# KiCad board input-output.Media.kicad_pcb
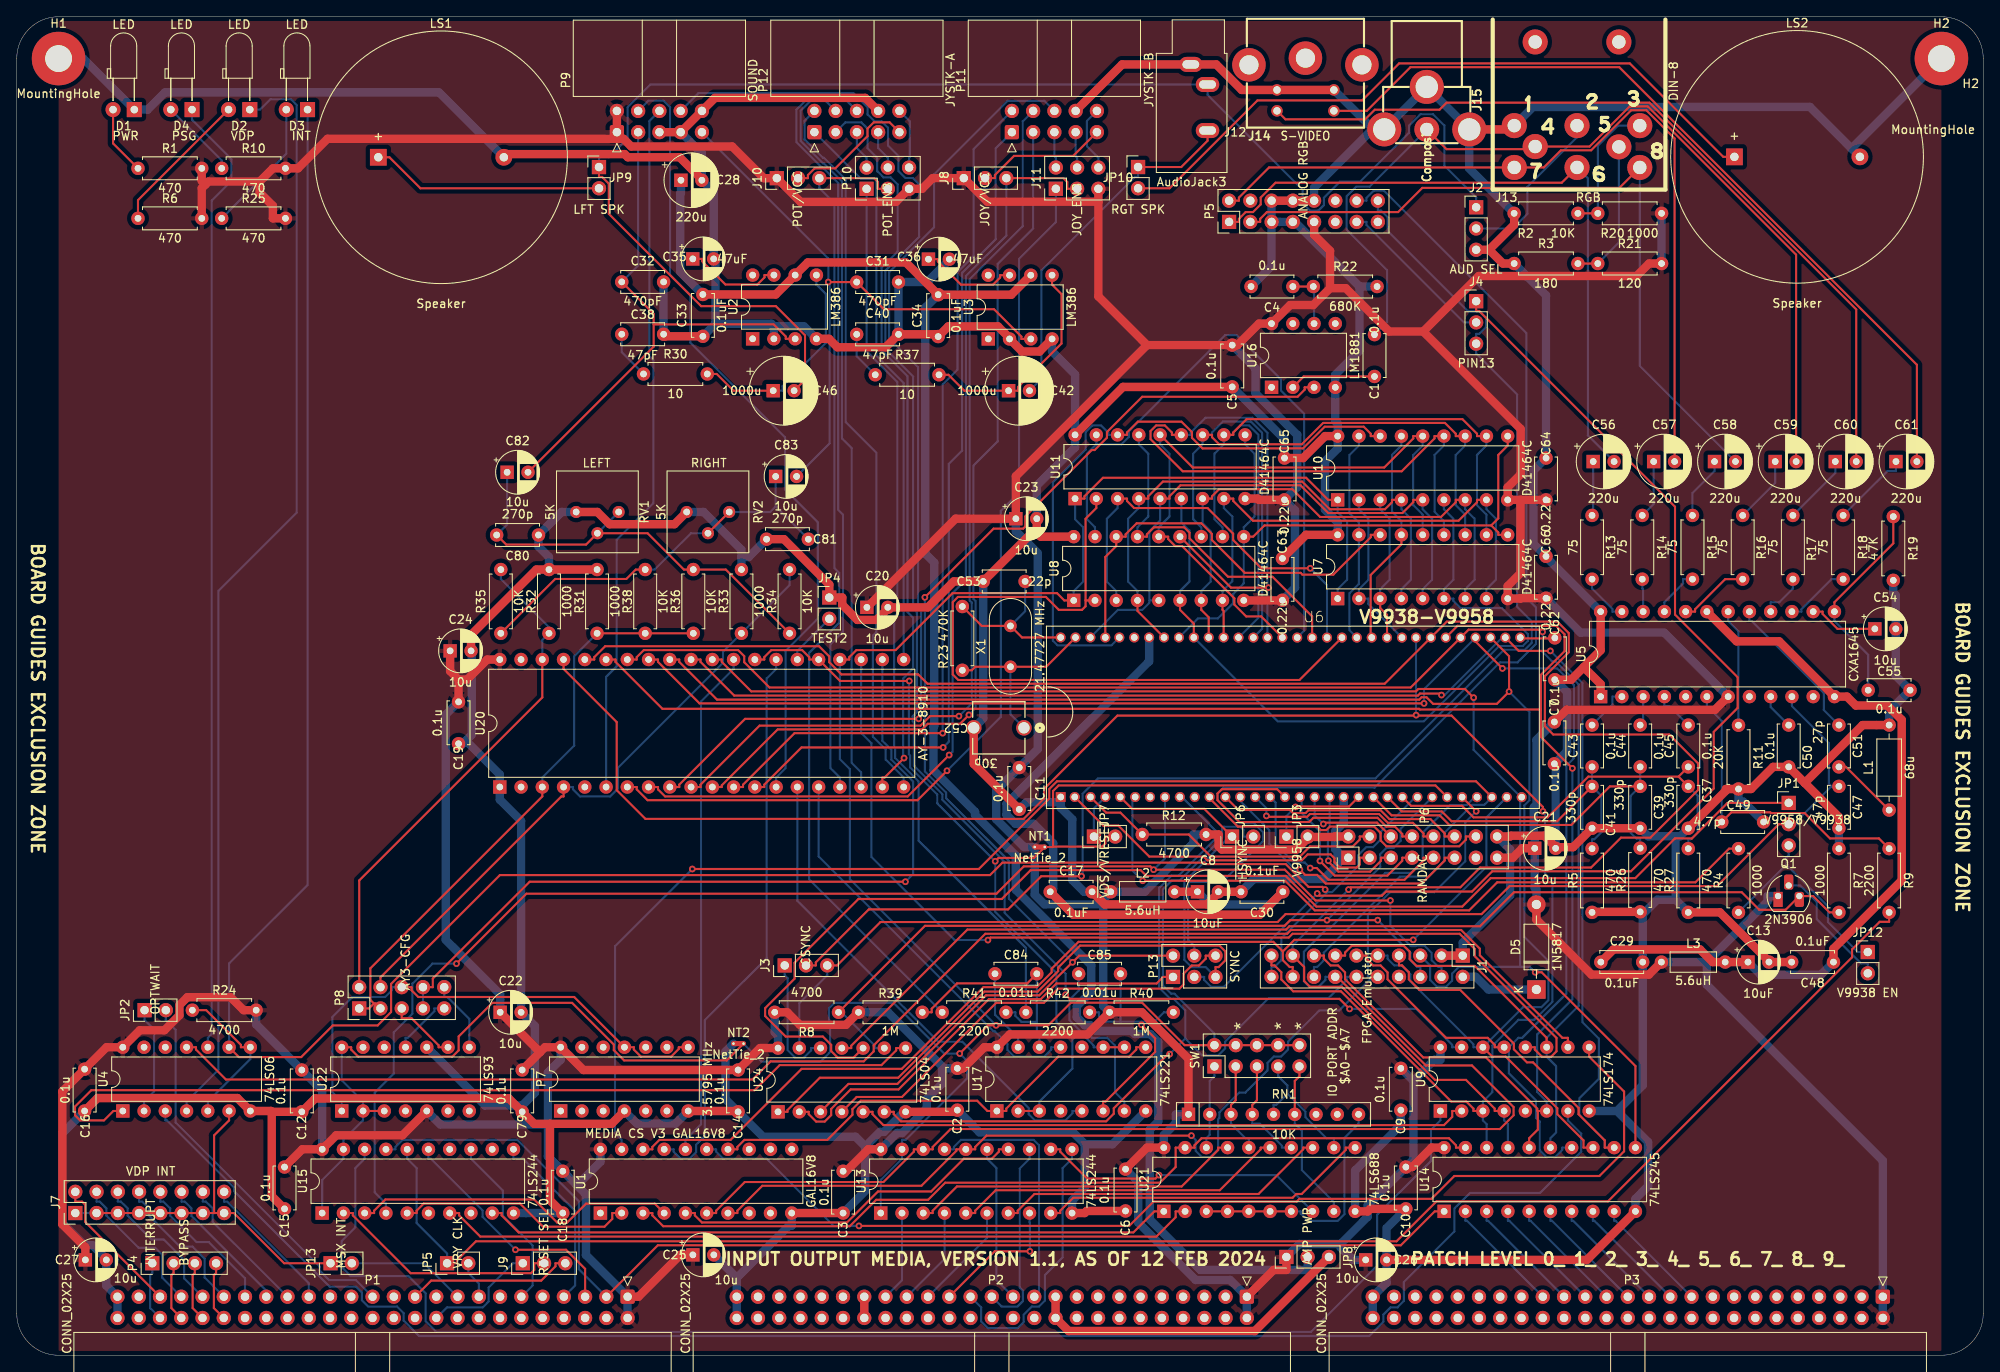
[diagram p0: board, top side]
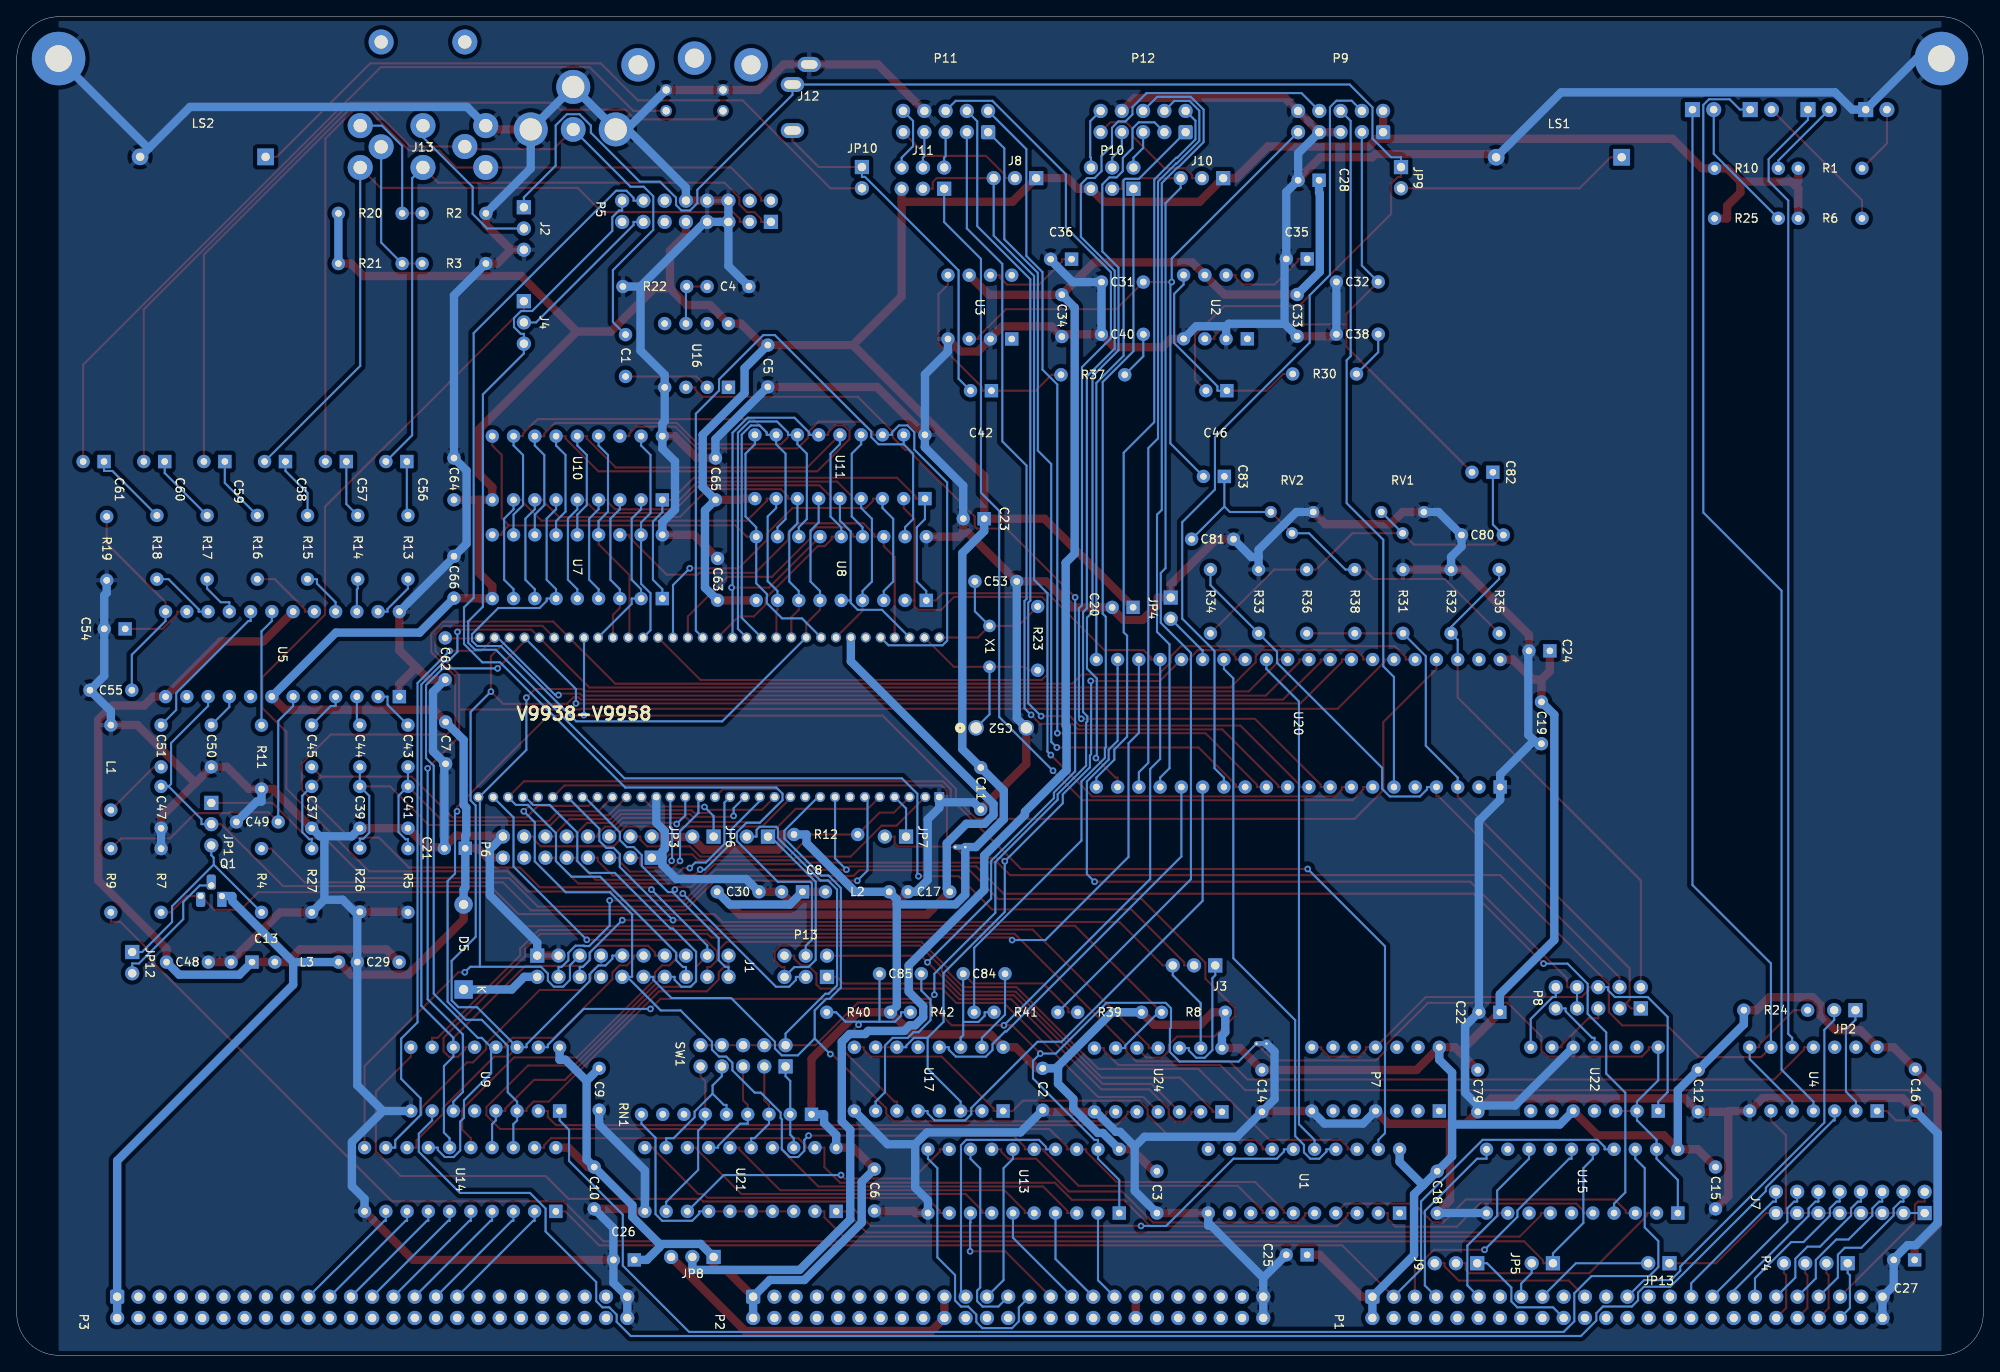
[diagram p1: board, bottom side, seen from below]

Outline 235 x 160 mm; copper layers: Top, Bottom. Coordinates in mm from the lower left corner of the outline.
Outline path: 0,155 0,5 arc(1.46,1.46) 5,0 230,0 arc(233.54,1.46) 235,5 235,155 arc(233.54,158.54) 230,160 5,160 arc(1.46,158.54) 0,155
Stack: Top 0.035mm / dielectric 1.51mm FR4 er 4.5 / Bottom 0.035mm

## Placement (name value [footprint] x y rotation side)
C1  0.1u  [C_Disc_D5.0mm_W2.5mm_P5.00mm]  162.25 122 270 top
C2  0.1u  [C_Disc_D5.0mm_W2.5mm_P5.00mm]  112.4 34.3 270 top
C3  0.1u  [C_Disc_D5.0mm_W2.5mm_P5.00mm]  98.75 22 270 top
C4  0.1u  [C_Disc_D5.0mm_W2.5mm_P5.00mm]  152.5 127.75 180 top
C5  0.1u  [C_Disc_D5.0mm_W2.5mm_P5.00mm]  145.25 120.75 270 top
C6  0.1u  [C_Disc_D5.0mm_W2.5mm_P5.00mm]  132.5 22.25 270 top
C7  0.1u  [C_Disc_D5.0mm_W2.5mm_P5.00mm]  183.75 75.7 270 top
C8  10uF  [CP_Radial_D5.0mm_P2.50mm]  141.1 55.4 0 top
C9  0.1u  [C_Disc_D5.0mm_W2.5mm_P5.00mm]  165.4 34.3 270 top
C10  0.1u  [C_Disc_D5.0mm_W2.5mm_P5.00mm]  166 22.5 270 top
C11  0.1u  [C_Disc_D5.0mm_W2.5mm_P5.00mm]  119.8 70.25 270 top
C12  0.1u  [C_Disc_D5.0mm_W2.5mm_P5.00mm]  34.06 34.1 270 top
C13  10uF  [CP_Radial_D5.0mm_P2.50mm]  206.88 47 0 top
C14  0.1u  [C_Disc_D5.0mm_W2.5mm_P5.00mm]  86.2 34.1 270 top
C15  0.1u  [C_Disc_D5.0mm_W2.5mm_P5.00mm]  32 22.5 270 top
C16  0.1u  [C_Disc_D5.0mm_W2.5mm_P5.00mm]  8.11 34.2 270 top
C17  0.1uF  [C_Disc_D5.0mm_W2.5mm_P5.00mm]  123.5 55.4 0 top
C18  0.1u  [C_Disc_D5.0mm_W2.5mm_P5.00mm]  65.25 22 270 top
C19  0.1u  [C_Disc_D5.0mm_W2.5mm_P5.00mm]  52.79 78.1 270 top
C20  10u  [CP_Radial_D5.0mm_P2.50mm]  101.59 89.4 0 top
C21  10u  [CP_Radial_D5.0mm_P2.50mm]  181.4 60.6 0 top
C22  10u  [CP_Radial_D5.0mm_P2.50mm]  57.77 41 0 top
C23  10u  [CP_Radial_D5.0mm_P2.50mm]  119.39 100 0 top
C24  10u  [CP_Radial_D5.0mm_P2.50mm]  51.79 84.2 0 top
C25  10u  [CP_Radial_D5.0mm_P2.50mm]  80.8 12 0 top
C26  10u  [CP_Radial_D5.0mm_P2.50mm]  161.2 11.4 0 top
C27  10u  [CP_Radial_D5.0mm_P2.50mm]  8.2 11.4 0 top
C28  220u  [CP_Radial_D6.3mm_P2.50mm]  79.37 140.45 0 top
C29  0.1uF  [C_Disc_D5.0mm_W2.5mm_P5.00mm]  189.3 47 0 top
C30  0.1uF  [C_Disc_D5.0mm_W2.5mm_P5.00mm]  151.3 55.4 180 top
C31  470pF  [C_Disc_D5.0mm_W2.5mm_P5.00mm]  100.37 128.28 0 top
C32  470pF  [C_Disc_D5.0mm_W2.5mm_P5.00mm]  72.3 128.3 0 top
C33  0.1uF  [C_Disc_D5.0mm_W2.5mm_P5.00mm]  81.99 121.8 90 top
C34  0.1uF  [C_Disc_D5.0mm_W2.5mm_P5.00mm]  110.11 121.77 90 top
C35  47uF  [CP_Radial_D5.0mm_P2.50mm]  80.79 131.05 0 top
C36  47uF  [CP_Radial_D5.0mm_P2.50mm]  108.95 131.02 0 top
C37  330p  [C_Disc_D5.0mm_W2.5mm_P5.00mm]  199.75 68 270 top
C38  47pF  [C_Disc_D5.0mm_W2.5mm_P5.00mm]  72.3 122.05 0 top
C39  330p  [C_Disc_D5.0mm_W2.5mm_P5.00mm]  194 68 270 top
C40  47pF  [C_Disc_D5.0mm_W2.5mm_P5.00mm]  100.37 122.03 0 top
C41  330p  [C_Disc_D5.0mm_W2.5mm_P5.00mm]  188.25 68 270 top
C42  1000u  [CP_Radial_D8.0mm_P2.50mm]  118.53 115.3 0 top
C43  0.1u  [C_Disc_D5.0mm_W2.5mm_P5.00mm]  188.25 70.33 90 top
C44  0.1u  [C_Disc_D5.0mm_W2.5mm_P5.00mm]  194 70.33 90 top
C45  0.1u  [C_Disc_D5.0mm_W2.5mm_P5.00mm]  199.75 70.33 90 top
C46  1000u  [CP_Radial_D8.0mm_P2.50mm]  90.39 115.3 0 top
C47  47p  [C_Disc_D5.0mm_W2.5mm_P5.00mm]  217.75 68 270 top
C48  0.1uF  [C_Disc_D5.0mm_W2.5mm_P5.00mm]  217.1 47 180 top
C49  4.7p  [C_Disc_D5.0mm_W2.5mm_P5.00mm]  203.75 63.75 0 top
C50  0.1u  [C_Disc_D5.0mm_W2.5mm_P5.00mm]  211.75 75.33 270 top
C51  27p  [C_Disc_D5.0mm_W2.5mm_P5.00mm]  217.75 75.33 270 top
C52  30p  [CAP_TZ03R300E169B00_MUR]  120.36 75 180 top
C53  22p  [C_Disc_D5.0mm_W2.5mm_P5.00mm]  120.5 92.5 180 top
C54  10u  [CP_Radial_D5.0mm_P2.50mm]  222.04 86.83 0 top
C55  0.1u  [C_Disc_D5.0mm_W2.5mm_P5.00mm]  221.25 79.5 0 top
C56  220u  [CP_Radial_D6.3mm_P2.50mm]  188.39 106.83 0 top
C57  220u  [CP_Radial_D6.3mm_P2.50mm]  195.61 106.83 0 top
C58  220u  [CP_Radial_D6.3mm_P2.50mm]  202.89 106.83 0 top
C59  220u  [CP_Radial_D6.3mm_P2.50mm]  210.14 106.83 0 top
C60  220u  [CP_Radial_D6.3mm_P2.50mm]  217.32 106.83 0 top
C61  220u  [CP_Radial_D6.3mm_P2.50mm]  224.57 106.83 0 top
C62  0.1u  [C_Disc_D5.0mm_W2.5mm_P5.00mm]  183.8 85.75 270 top
C63  0.22u  [C_Disc_D5.0mm_W2.5mm_P5.00mm]  151.25 90.25 90 top
C64  0.22u  [C_Disc_D5.0mm_W2.5mm_P5.00mm]  182.75 102.25 90 top
C65  0.22u  [C_Disc_D5.0mm_W2.5mm_P5.00mm]  151.5 102.25 90 top
C66  0.22u  [C_Disc_D5.0mm_W2.5mm_P5.00mm]  182.75 90.5 90 top
C79  0.1u  [C_Disc_D5.0mm_W2.5mm_P5.00mm]  60.4 34.1 270 top
C80  270p  [C_Disc_D5.0mm_W2.5mm_P5.00mm]  62.35 98.05 180 top
C81  270p  [C_Disc_D5.0mm_W2.5mm_P5.00mm]  94.6 97.55 180 top
C82  10u  [CP_Radial_D5.0mm_P2.50mm]  58.6 105.55 0 top
C83  10u  [CP_Radial_D5.0mm_P2.50mm]  90.69 105.05 0 top
C84  0.01u  [C_Disc_D5.0mm_W2.5mm_P5.00mm]  116.9 45.6 0 top
C85  0.01u  [C_Disc_D5.0mm_W2.5mm_P5.00mm]  126.9 45.6 0 top
D1  LED  [LED_D3.0mm_Horizontal_O3.81mm_Z2.0mm]  14.05 148.9 180 top
D2  LED  [LED_D3.0mm_Horizontal_O3.81mm_Z2.0mm]  27.85 148.9 180 top
D3  LED  [LED_D3.0mm_Horizontal_O3.81mm_Z2.0mm]  34.75 148.9 180 top
D4  LED  [LED_D3.0mm_Horizontal_O3.81mm_Z2.0mm]  20.95 148.9 180 top
D5  1N5817  [D_DO-41_SOD81_P10.16mm_Horizontal]  181.6 43.72 90 top
H1  MountingHole  [MountingHole_3.2mm_M3_Pad]  5 155 0 top
H2  MountingHole  [MountingHole_3.2mm_M3_Pad]  230 155 0 top
J1  FPGA Emulator  [PinHeader_2x10_P2.54mm_Vertical]  172.8 47.78 270 top
J2  AUD SEL  [PinHeader_1x03_P2.54mm_Vertical]  174.4 137.22 0 top
J3  CSYNC  [PinHeader_1x03_P2.54mm_Vertical]  91.78 46.6 90 top
J4  PIN13  [PinHeader_1x03_P2.54mm_Vertical]  174.4 126 0 top
J7  INTERRUPT  [PinHeader_2x08_P2.54mm_Vertical]  7 17 90 top
J8  JOY/VCC  [PinHeader_1x03_P2.54mm_Vertical]  113.18 140.71 90 top
J9  RESET SEL  [PinHeader_1x03_P2.54mm_Vertical]  60.47 11 90 top
J10  POT/VCC  [PinHeader_1x03_P2.54mm_Vertical]  90.83 140.7 90 top
J11  JOY_ENB  [PinHeader_2x03_P2.54mm_Vertical]  124.18 139.44 90 top
J12  AudioJack3  [Jack_3.5mm_CUI_SJ1-3533NG_Horizontal]  140.3 154.3 0 top
J13  RGB  [AV_CON_DIN8]  186.45 146.98 0 top
J14  S-VIDEO  [Conn_Mini_DIN_4pin]  154 159.75 0 top
J15  Composite  [Conn_RCA_Right]  168.5 151.61 270 top
JP1  V9958/V9938  [PinHeader_1x03_P2.54mm_Vertical]  211.75 66.03 0 top
JP2  OPTWAIT  [PinHeader_1x02_P2.54mm_Vertical]  15.27 41.25 90 top
JP3  V9958  [PinHeader_1x02_P2.54mm_Vertical]  151.72 62 90 top
JP4  TEST2  [PinHeader_1x02_P2.54mm_Vertical]  97.1 90.57 0 top
JP5  VRY CLK  [PinHeader_1x02_P2.54mm_Vertical]  51.42 11 90 top
JP6  ~{HSYNC}  [PinHeader_1x02_P2.54mm_Vertical]  145.22 62 90 top
JP7  ~{VDS}/~{VRESET}  [PinHeader_1x02_P2.54mm_Vertical]  128.72 62 90 top
JP8  AMP PWR  [PinHeader_1x03_P2.54mm_Vertical]  151.72 11.75 90 top
JP9  LFT SPK  [PinHeader_1x02_P2.54mm_Vertical]  69.58 142.03 0 top
JP10  RGT SPK  [PinHeader_1x02_P2.54mm_Vertical]  134 142.03 0 top
JP12  V9938 EN  [PinHeader_1x02_P2.54mm_Vertical]  221.2 48.2 0 top
JP13  MSX INT  [PinHeader_1x02_P2.54mm_Vertical]  37.5 11 90 top
L1  68u  [L_Axial_L6.6mm_D2.7mm_P10.16mm_Horizontal_Vishay_IM-2]  223.75 65.17 90 top
L2  5.6uH  [L_Axial_L5.3mm_D2.2mm_P7.62mm_Horizontal_Vishay_IM-1]  130.74 55.4 0 top
L3  5.6uH  [L_Axial_L5.3mm_D2.2mm_P7.62mm_Horizontal_Vishay_IM-1]  196.54 47 0 top
LS1  Speaker  [Jameco PCB Speaker 30mm 135722]  46.9 143.2 0 top
LS2  Speaker  [Jameco PCB Speaker 30mm 135722]  208.95 143.25 0 top
NT1  NetTie_2  [NetTie-2_THT_Pad0.3mm]  121.65 60.75 0 top
NT2  NetTie_2  [NetTie-2_THT_Pad0.3mm]  85.65 37.25 0 top
P1  CONN_02X25  [IDC-Header_2x25_P2.54mm_Horizontal]  73 7 270 top
P2  CONN_02X25  [IDC-Header_2x25_P2.54mm_Horizontal]  147 7 270 top
P3  CONN_02X25  [IDC-Header_2x25_P2.54mm_Horizontal]  223 7 270 top
P4  BYPASS  [PinHeader_1x04_P2.54mm_Vertical]  16.2 11 90 top
P5  ANALOG RGB  [PinHeader_2x08_P2.54mm_Vertical]  144.88 135.47 90 top
P6  RAMDAC  [PinHeader_2x08_P2.54mm_Vertical]  159.12 59.47 90 top
P7  3.5795 MHz  [DIP-14_W7.62mm]  65 29.2 90 top
P8  AY3-CFG  [PinHeader_2x05_P2.54mm_Vertical]  40.92 41.46 90 top
P9  SOUND  [IDC-Header_2x05_P2.54mm_Horizontal]  71.72 146.2 90 top
P10  POT_ENB  [PinHeader_2x03_P2.54mm_Vertical]  101.56 139.43 90 top
P11  JYSTK-B  [IDC-Header_2x05_P2.54mm_Horizontal]  118.92 146.2 90 top
P12  JYSTK-A  [IDC-Header_2x05_P2.54mm_Horizontal]  95.32 146.2 90 top
P13  SYNC  [PinHeader_2x03_P2.54mm_Vertical]  138.18 45.22 90 top
Q1  2N3906  [TO-92_HandSolder]  210.48 54.89 0 top
R1  470  [R_Axial_DIN0207_L6.3mm_D2.5mm_P7.62mm_Horizontal]  14.49 141.88 0 top
R2  10K  [R_Axial_DIN0207_L6.3mm_D2.5mm_P7.62mm_Horizontal]  178.94 136.5 0 top
R3  180  [R_Axial_DIN0207_L6.3mm_D2.5mm_P7.62mm_Horizontal]  178.94 130.5 0 top
R4  1000  [R_Axial_DIN0207_L6.3mm_D2.5mm_P7.62mm_Horizontal]  205.75 52.94 90 top
R5  470  [R_Axial_DIN0207_L6.3mm_D2.5mm_P7.62mm_Horizontal]  188.25 52.94 90 top
R6  470  [R_Axial_DIN0207_L6.3mm_D2.5mm_P7.62mm_Horizontal]  14.49 135.9 0 top
R7  1000  [R_Axial_DIN0207_L6.3mm_D2.5mm_P7.62mm_Horizontal]  217.75 60.56 270 top
R8  4700  [R_Axial_DIN0207_L6.3mm_D2.5mm_P7.62mm_Horizontal]  98.2 41 180 top
R9  2200  [R_Axial_DIN0207_L6.3mm_D2.5mm_P7.62mm_Horizontal]  223.75 60.56 270 top
R10  470  [R_Axial_DIN0207_L6.3mm_D2.5mm_P7.62mm_Horizontal]  24.49 141.88 0 top
R11  20K  [R_Axial_DIN0207_L6.3mm_D2.5mm_P7.62mm_Horizontal]  205.75 75.31 270 top
R12  4700  [R_Axial_DIN0207_L6.3mm_D2.5mm_P7.62mm_Horizontal]  134.5 62.25 0 top
R13  75  [R_Axial_DIN0207_L6.3mm_D2.5mm_P7.62mm_Horizontal]  188.25 100.39 270 top
R14  75  [R_Axial_DIN0207_L6.3mm_D2.5mm_P7.62mm_Horizontal]  194.25 100.39 270 top
R15  75  [R_Axial_DIN0207_L6.3mm_D2.5mm_P7.62mm_Horizontal]  200.25 100.39 270 top
R16  75  [R_Axial_DIN0207_L6.3mm_D2.5mm_P7.62mm_Horizontal]  206.25 100.39 270 top
R17  75  [R_Axial_DIN0207_L6.3mm_D2.5mm_P7.62mm_Horizontal]  212.25 100.39 270 top
R18  75  [R_Axial_DIN0207_L6.3mm_D2.5mm_P7.62mm_Horizontal]  218.25 100.39 270 top
R19  47K  [R_Axial_DIN0207_L6.3mm_D2.5mm_P7.62mm_Horizontal]  224.25 100.25 270 top
R20  1000  [R_Axial_DIN0207_L6.3mm_D2.5mm_P7.62mm_Horizontal]  188.94 136.5 0 top
R21  120  [R_Axial_DIN0207_L6.3mm_D2.5mm_P7.62mm_Horizontal]  188.94 130.5 0 top
R22  680K  [R_Axial_DIN0207_L6.3mm_D2.5mm_P7.62mm_Horizontal]  154.94 127.75 0 top
R23  470K  [R_Axial_DIN0207_L6.3mm_D2.5mm_P7.62mm_Horizontal]  113 89.5 270 top
R24  4700  [R_Axial_DIN0207_L6.3mm_D2.5mm_P7.62mm_Horizontal]  20.99 41.25 0 top
R25  470  [R_Axial_DIN0207_L6.3mm_D2.5mm_P7.62mm_Horizontal]  24.49 135.9 0 top
R26  470  [R_Axial_DIN0207_L6.3mm_D2.5mm_P7.62mm_Horizontal]  194 53 90 top
R27  470  [R_Axial_DIN0207_L6.3mm_D2.5mm_P7.62mm_Horizontal]  199.75 52.94 90 top
R30  10  [R_Axial_DIN0207_L6.3mm_D2.5mm_P7.62mm_Horizontal]  74.9 117.3 0 top
R31  1000  [R_Axial_DIN0207_L6.3mm_D2.5mm_P7.62mm_Horizontal]  69.35 86.3 90 top
R32  1000  [R_Axial_DIN0207_L6.3mm_D2.5mm_P7.62mm_Horizontal]  63.6 86.3 90 top
R33  1000  [R_Axial_DIN0207_L6.3mm_D2.5mm_P7.62mm_Horizontal]  86.6 86.3 90 top
R34  10K  [R_Axial_DIN0207_L6.3mm_D2.5mm_P7.62mm_Horizontal]  92.35 86.3 90 top
R35  10K  [R_Axial_DIN0207_L6.3mm_D2.5mm_P7.62mm_Horizontal]  57.85 86.3 90 top
R36  10K  [R_Axial_DIN0207_L6.3mm_D2.5mm_P7.62mm_Horizontal]  80.85 86.3 90 top
R37  10  [R_Axial_DIN0207_L6.3mm_D2.5mm_P7.62mm_Horizontal]  102.59 117.2 0 top
R38  10K  [R_Axial_DIN0207_L6.3mm_D2.5mm_P7.62mm_Horizontal]  75.1 86.3 90 top
R39  1M  [R_Axial_DIN0207_L6.3mm_D2.5mm_P7.62mm_Horizontal]  100.59 41 0 top
R40  1M  [R_Axial_DIN0207_L6.3mm_D2.5mm_P7.62mm_Horizontal]  130.59 41 0 top
R41  2200  [R_Axial_DIN0207_L6.3mm_D2.5mm_P7.62mm_Horizontal]  110.59 41 0 top
R42  2200  [R_Axial_DIN0207_L6.3mm_D2.5mm_P7.62mm_Horizontal]  120.59 41 0 top
RN1  10K  [R_Array_SIP9]  140.03 28.8 0 top
RV1  5K  [Potentiometer_Bourns_3386P_Vertical]  66.85 100.8 270 top
RV2  5K  [Potentiometer_Bourns_3386P_Vertical]  80.06 100.8 270 top
SW1  IO PORT ADDR  [PinHeader_2x05_P2.54mm_Vertical]  143.12 34.53 90 top
U1  GAL16V8  [DIP-20_W7.62mm]  69.75 17 90 top
U2  LM386  [DIP-8_W7.62mm]  87.94 121.5 90 top
U3  LM386  [DIP-8_W7.62mm]  116.1 121.48 90 top
U4  74LS06  [DIP-14_W7.62mm]  12.67 29.2 90 top
U5  CXA1645  [DIP-24_W10.16mm]  189.28 78.73 90 top
U6  V9938-V9958  [renesas21-DIP64-S]  149.05 75.8 0 top
U7  D41464C  [DIP-18_W7.62mm]  157.85 90.45 90 top
U8  D41464C  [DIP-18_W7.62mm]  126.31 90.23 90 top
U9  74LS174  [DIP-16_W7.62mm]  170.12 29.2 90 top
U10  D41464C  [DIP-18_W7.62mm]  157.85 102.25 90 top
U11  D41464C  [DIP-18_W7.62mm]  126.47 102.4 90 top
U13  74LS244  [DIP-20_W7.62mm]  103.25 17 90 top
U14  74LS245  [DIP-20_W7.62mm]  170.57 17.2 90 top
U15  74LS244  [DIP-20_W7.62mm]  36.5 17 90 top
U16  LM1881  [DIP-8_W7.62mm]  149.95 115.7 90 top
U17  74LS221  [DIP-16_W7.62mm]  117.12 29.2 90 top
U20  AY-3-8910  [DIP-40_W15.24mm]  57.72 67.93 90 top
U21  74LS688  [DIP-20_W7.62mm]  137.07 17.2 90 top
U22  74LS93  [DIP-14_W7.62mm]  38.84 29.2 90 top
U24  74LS04  [DIP-14_W7.62mm]  90.97 29.1 90 top
X1  21.47727 MHz  [Crystal_HC49-4H_Vertical]  118.75 82.3 90 top

## Footprints (pads in the part's own frame, mm; a bottom-side part is the same pattern mirrored in y, then rotated)
AV_CON_DIN8
  round 3 hole 1.6: 1(-7.5,0) 2(0,0) 3(7.5,0) 4(-5,-2.5) 5(5,-2.54) 6(0,-5) 7(-7.5,-5) 8(7.5,-5) ~(-5,10) ~(5,10)
C_Disc_D5.0mm_W2.5mm_P5.00mm
  round 1.6 hole 0.8: 1(0,0) 2(5,0)
CAP_TZ03R300E169B00_MUR
  round 1.854 hole 1.346: 1(0,0) 2(6,0)
Conn_Mini_DIN_4pin
  round 1.372 hole 0.889: 1(-3.4,-8.5) 2(3.4,-8.5) 3(-3.4,-11) 4(3.4,-11)
  round 4 hole 2.291: ~(-6.75,-5.5) ~(0,-4.7) ~(6.75,-5.5)
Conn_RCA_Right
  round 2.972 hole 1.575: 1(5.08,0)
  round 4.064 hole 2.667: 2(0,0) 2(5.08,5.08) 2(5.08,-5.08)
CP_Radial_D5.0mm_P2.50mm
  rect 1.6x1.6 hole 0.8: 1(0,0)
  round 1.6 hole 0.8: 2(2.5,0)
CP_Radial_D6.3mm_P2.50mm
  rect 1.6x1.6 hole 0.8: 1(0,0)
  round 1.6 hole 0.8: 2(2.5,0)
CP_Radial_D8.0mm_P2.50mm
  rect 1.6x1.6 hole 0.8: 1(0,0)
  round 1.6 hole 0.8: 2(2.5,0)
Crystal_HC49-4H_Vertical
  round 1.5 hole 0.8: 1(0,0) 2(4.88,0)
D_DO-41_SOD81_P10.16mm_Horizontal
  rect 2.2x2.2 hole 1.1: 1(0,0)
  oval 2.2x2.2 hole 1.1: 2(10.16,0)
DIP-8_W7.62mm
  rect 1.6x1.6 hole 0.8: 1(0,0)
  oval 1.6x1.6 hole 0.8: 2(0,-2.54) 3(0,-5.08) 4(0,-7.62) 5(7.62,-7.62) 6(7.62,-5.08) 7(7.62,-2.54) 8(7.62,0)
DIP-14_W7.62mm
  rect 1.6x1.6 hole 0.8: 1(0,0)
  oval 1.6x1.6 hole 0.8: 2(0,-2.54) 3(0,-5.08) 4(0,-7.62) 5(0,-10.16) 6(0,-12.7) 7(0,-15.24) 8(7.62,-15.24) 9(7.62,-12.7) 10(7.62,-10.16) 11(7.62,-7.62) 12(7.62,-5.08) 13(7.62,-2.54) 14(7.62,0)
DIP-16_W7.62mm
  rect 1.6x1.6 hole 0.8: 1(0,0)
  oval 1.6x1.6 hole 0.8: 2(0,-2.54) 3(0,-5.08) 4(0,-7.62) 5(0,-10.16) 6(0,-12.7) 7(0,-15.24) 8(0,-17.78) 9(7.62,-17.78) 10(7.62,-15.24) 11(7.62,-12.7) 12(7.62,-10.16) 13(7.62,-7.62) 14(7.62,-5.08) 15(7.62,-2.54) 16(7.62,0)
DIP-18_W7.62mm
  rect 1.6x1.6 hole 0.8: 1(0,0)
  oval 1.6x1.6 hole 0.8: 2(0,-2.54) 3(0,-5.08) 4(0,-7.62) 5(0,-10.16) 6(0,-12.7) 7(0,-15.24) 8(0,-17.78) 9(0,-20.32) 10(7.62,-20.32) 11(7.62,-17.78) 12(7.62,-15.24) 13(7.62,-12.7) 14(7.62,-10.16) 15(7.62,-7.62) 16(7.62,-5.08) 17(7.62,-2.54) 18(7.62,0)
DIP-20_W7.62mm
  rect 1.6x1.6 hole 0.8: 1(0,0)
  oval 1.6x1.6 hole 0.8: 2(0,-2.54) 3(0,-5.08) 4(0,-7.62) 5(0,-10.16) 6(0,-12.7) 7(0,-15.24) 8(0,-17.78) 9(0,-20.32) 10(0,-22.86) 11(7.62,-22.86) 12(7.62,-20.32) 13(7.62,-17.78) 14(7.62,-15.24) 15(7.62,-12.7) 16(7.62,-10.16) 17(7.62,-7.62) 18(7.62,-5.08) 19(7.62,-2.54) 20(7.62,0)
DIP-24_W10.16mm
  rect 1.6x1.6 hole 0.8: 1(0,0)
  oval 1.6x1.6 hole 0.8: 2(0,-2.54) 3(0,-5.08) 4(0,-7.62) 5(0,-10.16) 6(0,-12.7) 7(0,-15.24) 8(0,-17.78) 9(0,-20.32) 10(0,-22.86) 11(0,-25.4) 12(0,-27.94) 13(10.16,-27.94) 14(10.16,-25.4) 15(10.16,-22.86) 16(10.16,-20.32) 17(10.16,-17.78) 18(10.16,-15.24) 19(10.16,-12.7) 20(10.16,-10.16) 21(10.16,-7.62) 22(10.16,-5.08) 23(10.16,-2.54) 24(10.16,0)
DIP-40_W15.24mm
  rect 1.6x1.6 hole 0.8: 1(0,0)
  oval 1.6x1.6 hole 0.8: 2(0,-2.54) 3(0,-5.08) 4(0,-7.62) 5(0,-10.16) 6(0,-12.7) 7(0,-15.24) 8(0,-17.78) 9(0,-20.32) 10(0,-22.86) 11(0,-25.4) 12(0,-27.94) 13(0,-30.48) 14(0,-33.02) 15(0,-35.56) 16(0,-38.1) 17(0,-40.64) 18(0,-43.18) 19(0,-45.72) 20(0,-48.26) 21(15.24,-48.26) 22(15.24,-45.72) 23(15.24,-43.18) 24(15.24,-40.64) 25(15.24,-38.1) 26(15.24,-35.56) 27(15.24,-33.02) 28(15.24,-30.48) 29(15.24,-27.94) 30(15.24,-25.4) 31(15.24,-22.86) 32(15.24,-20.32) 33(15.24,-17.78) 34(15.24,-15.24) 35(15.24,-12.7) 36(15.24,-10.16) 37(15.24,-7.62) 38(15.24,-5.08) 39(15.24,-2.54) 40(15.24,0)
IDC-Header_2x05_P2.54mm_Horizontal
  rrect 1.7x1.7 hole 1: 1(0,0)
  round 1.7 hole 1: 2(2.54,0) 3(0,-2.54) 4(2.54,-2.54) 5(0,-5.08) 6(2.54,-5.08) 7(0,-7.62) 8(2.54,-7.62) 9(0,-10.16) 10(2.54,-10.16)
IDC-Header_2x25_P2.54mm_Horizontal
  rrect 1.7x1.7 hole 1: 1(0,0)
  round 1.7 hole 1: 2(2.54,0) 3(0,-2.54) 4(2.54,-2.54) 5(0,-5.08) 6(2.54,-5.08) 7(0,-7.62) 8(2.54,-7.62) 9(0,-10.16) 10(2.54,-10.16) 11(0,-12.7) 12(2.54,-12.7) 13(0,-15.24) 14(2.54,-15.24) 15(0,-17.78) 16(2.54,-17.78) 17(0,-20.32) 18(2.54,-20.32) 19(0,-22.86) 20(2.54,-22.86) 21(0,-25.4) 22(2.54,-25.4) 23(0,-27.94) 24(2.54,-27.94) 25(0,-30.48) 26(2.54,-30.48) 27(0,-33.02) 28(2.54,-33.02) 29(0,-35.56) 30(2.54,-35.56) 31(0,-38.1) 32(2.54,-38.1) 33(0,-40.64) 34(2.54,-40.64) 35(0,-43.18) 36(2.54,-43.18) 37(0,-45.72) 38(2.54,-45.72) 39(0,-48.26) 40(2.54,-48.26) 41(0,-50.8) 42(2.54,-50.8) 43(0,-53.34) 44(2.54,-53.34) 45(0,-55.88) 46(2.54,-55.88) 47(0,-58.42) 48(2.54,-58.42) 49(0,-60.96) 50(2.54,-60.96)
Jack_3.5mm_CUI_SJ1-3533NG_Horizontal
  oval 2.8x1.8 hole 2x1: R(2,-7.9) S(0,0) T(2,-2.4)
Jameco PCB Speaker 30mm 135722
  rect 2x2 hole 1: 1(-3.69,0)
  round 2 hole 1: 2(11.31,0)
L_Axial_L5.3mm_D2.2mm_P7.62mm_Horizontal_Vishay_IM-1
  round 1.6 hole 0.8: 1(0,0)
  oval 1.6x1.6 hole 0.8: 2(7.62,0)
L_Axial_L6.6mm_D2.7mm_P10.16mm_Horizontal_Vishay_IM-2
  round 1.6 hole 0.8: 1(0,0)
  oval 1.6x1.6 hole 0.8: 2(10.16,0)
LED_D3.0mm_Horizontal_O3.81mm_Z2.0mm
  rect 1.8x1.8 hole 0.9: 1(0,0)
  round 1.8 hole 0.9: 2(2.54,0)
MountingHole_3.2mm_M3_Pad
  round 6.4 hole 3.2: 1(0,0)
NetTie-2_THT_Pad0.3mm
  round 0.6 hole 0.3: 1(0,0) 2(1.2,0)
PinHeader_1x02_P2.54mm_Vertical
  rect 1.7x1.7 hole 1: 1(0,0)
  oval 1.7x1.7 hole 1: 2(0,-2.54)
PinHeader_1x03_P2.54mm_Vertical
  rect 1.7x1.7 hole 1: 1(0,0)
  oval 1.7x1.7 hole 1: 2(0,-2.54) 3(0,-5.08)
PinHeader_1x04_P2.54mm_Vertical
  rect 1.7x1.7 hole 1: 1(0,0)
  oval 1.7x1.7 hole 1: 2(0,-2.54) 3(0,-5.08) 4(0,-7.62)
PinHeader_2x03_P2.54mm_Vertical
  rect 1.7x1.7 hole 1: 1(0,0)
  oval 1.7x1.7 hole 1: 2(2.54,0) 3(0,-2.54) 4(2.54,-2.54) 5(0,-5.08) 6(2.54,-5.08)
PinHeader_2x05_P2.54mm_Vertical
  rect 1.7x1.7 hole 1: 1(0,0)
  oval 1.7x1.7 hole 1: 2(2.54,0) 3(0,-2.54) 4(2.54,-2.54) 5(0,-5.08) 6(2.54,-5.08) 7(0,-7.62) 8(2.54,-7.62) 9(0,-10.16) 10(2.54,-10.16)
PinHeader_2x08_P2.54mm_Vertical
  rect 1.7x1.7 hole 1: 1(0,0)
  oval 1.7x1.7 hole 1: 2(2.54,0) 3(0,-2.54) 4(2.54,-2.54) 5(0,-5.08) 6(2.54,-5.08) 7(0,-7.62) 8(2.54,-7.62) 9(0,-10.16) 10(2.54,-10.16) 11(0,-12.7) 12(2.54,-12.7) 13(0,-15.24) 14(2.54,-15.24) 15(0,-17.78) 16(2.54,-17.78)
PinHeader_2x10_P2.54mm_Vertical
  rect 1.7x1.7 hole 1: 1(0,0)
  oval 1.7x1.7 hole 1: 2(2.54,0) 3(0,-2.54) 4(2.54,-2.54) 5(0,-5.08) 6(2.54,-5.08) 7(0,-7.62) 8(2.54,-7.62) 9(0,-10.16) 10(2.54,-10.16) 11(0,-12.7) 12(2.54,-12.7) 13(0,-15.24) 14(2.54,-15.24) 15(0,-17.78) 16(2.54,-17.78) 17(0,-20.32) 18(2.54,-20.32) 19(0,-22.86) 20(2.54,-22.86)
Potentiometer_Bourns_3386P_Vertical
  round 1.44 hole 0.8: 1(0,0) 2(2.54,2.54) 3(0,5.08)
R_Array_SIP9
  rect 1.6x1.6 hole 0.8: 1(0,0)
  oval 1.6x1.6 hole 0.8: 2(2.54,0) 3(5.08,0) 4(7.62,0) 5(10.16,0) 6(12.7,0) 7(15.24,0) 8(17.78,0) 9(20.32,0)
R_Axial_DIN0207_L6.3mm_D2.5mm_P7.62mm_Horizontal
  round 1.6 hole 0.8: 1(0,0)
  oval 1.6x1.6 hole 0.8: 2(7.62,0)
renesas21-DIP64-S
  rect 1.173x1.173 hole 0.798: 1(-24.298,-9.068)
  round 1.199 hole 0.798: 2(-22.619,-9.068) 3(-20.739,-9.068) 4(-18.959,-9.068) 5(-17.178,-9.068) 6(-15.397,-9.068) 7(-13.619,-9.068) 8(-11.839,-9.068) 9(-10.058,-9.068) 10(-8.278,-9.068) 11(-6.5,-9.068) 12(-4.618,-9.068) 13(-2.84,-9.068) 14(-1.059,-9.068) 15(0.719,-9.068) 16(2.499,-9.068) 17(4.28,-9.068) 18(6.058,-9.068) 19(7.838,-9.068) 20(9.52,-9.068) 21(11.298,-9.068) 22(13.078,-9.088) 23(14.76,-9.088) 24(16.538,-9.088) 25(18.329,-9.088) 26(20.109,-9.088) 27(21.89,-9.088) 28(23.668,-9.088) 29(25.448,-9.088) 30(27.229,-9.088) 31(29.009,-9.088) 32(30.79,-9.088) 33(30.62,9.99) 34(28.839,9.99) 35(27.059,9.99) 36(25.278,9.99) 37(23.498,9.99) 38(21.72,9.99) 39(19.939,9.99) 40(18.158,9.99) 41(16.48,9.99) 42(14.699,9.99) 43(12.868,9.99) 44(11.09,9.99) 45(9.309,9.99) 46(7.529,9.99) 47(5.748,9.99) 48(3.967,9.99) 49(2.189,9.99) 50(0.409,9.99) 51(-1.27,9.99) 52(-3.048,9.99) 53(-4.829,10) 54(-6.609,10) 55(-8.39,10) 56(-10.168,10) 57(-11.948,10) 58(-13.729,10) 59(-15.509,10) 60(-17.29,10) 61(-18.969,10) 62(-20.749,10) 63(-22.53,10) 64(-24.308,10)